# Altium PCB OBC.PcbDoc (part 1 of 3) (continued)
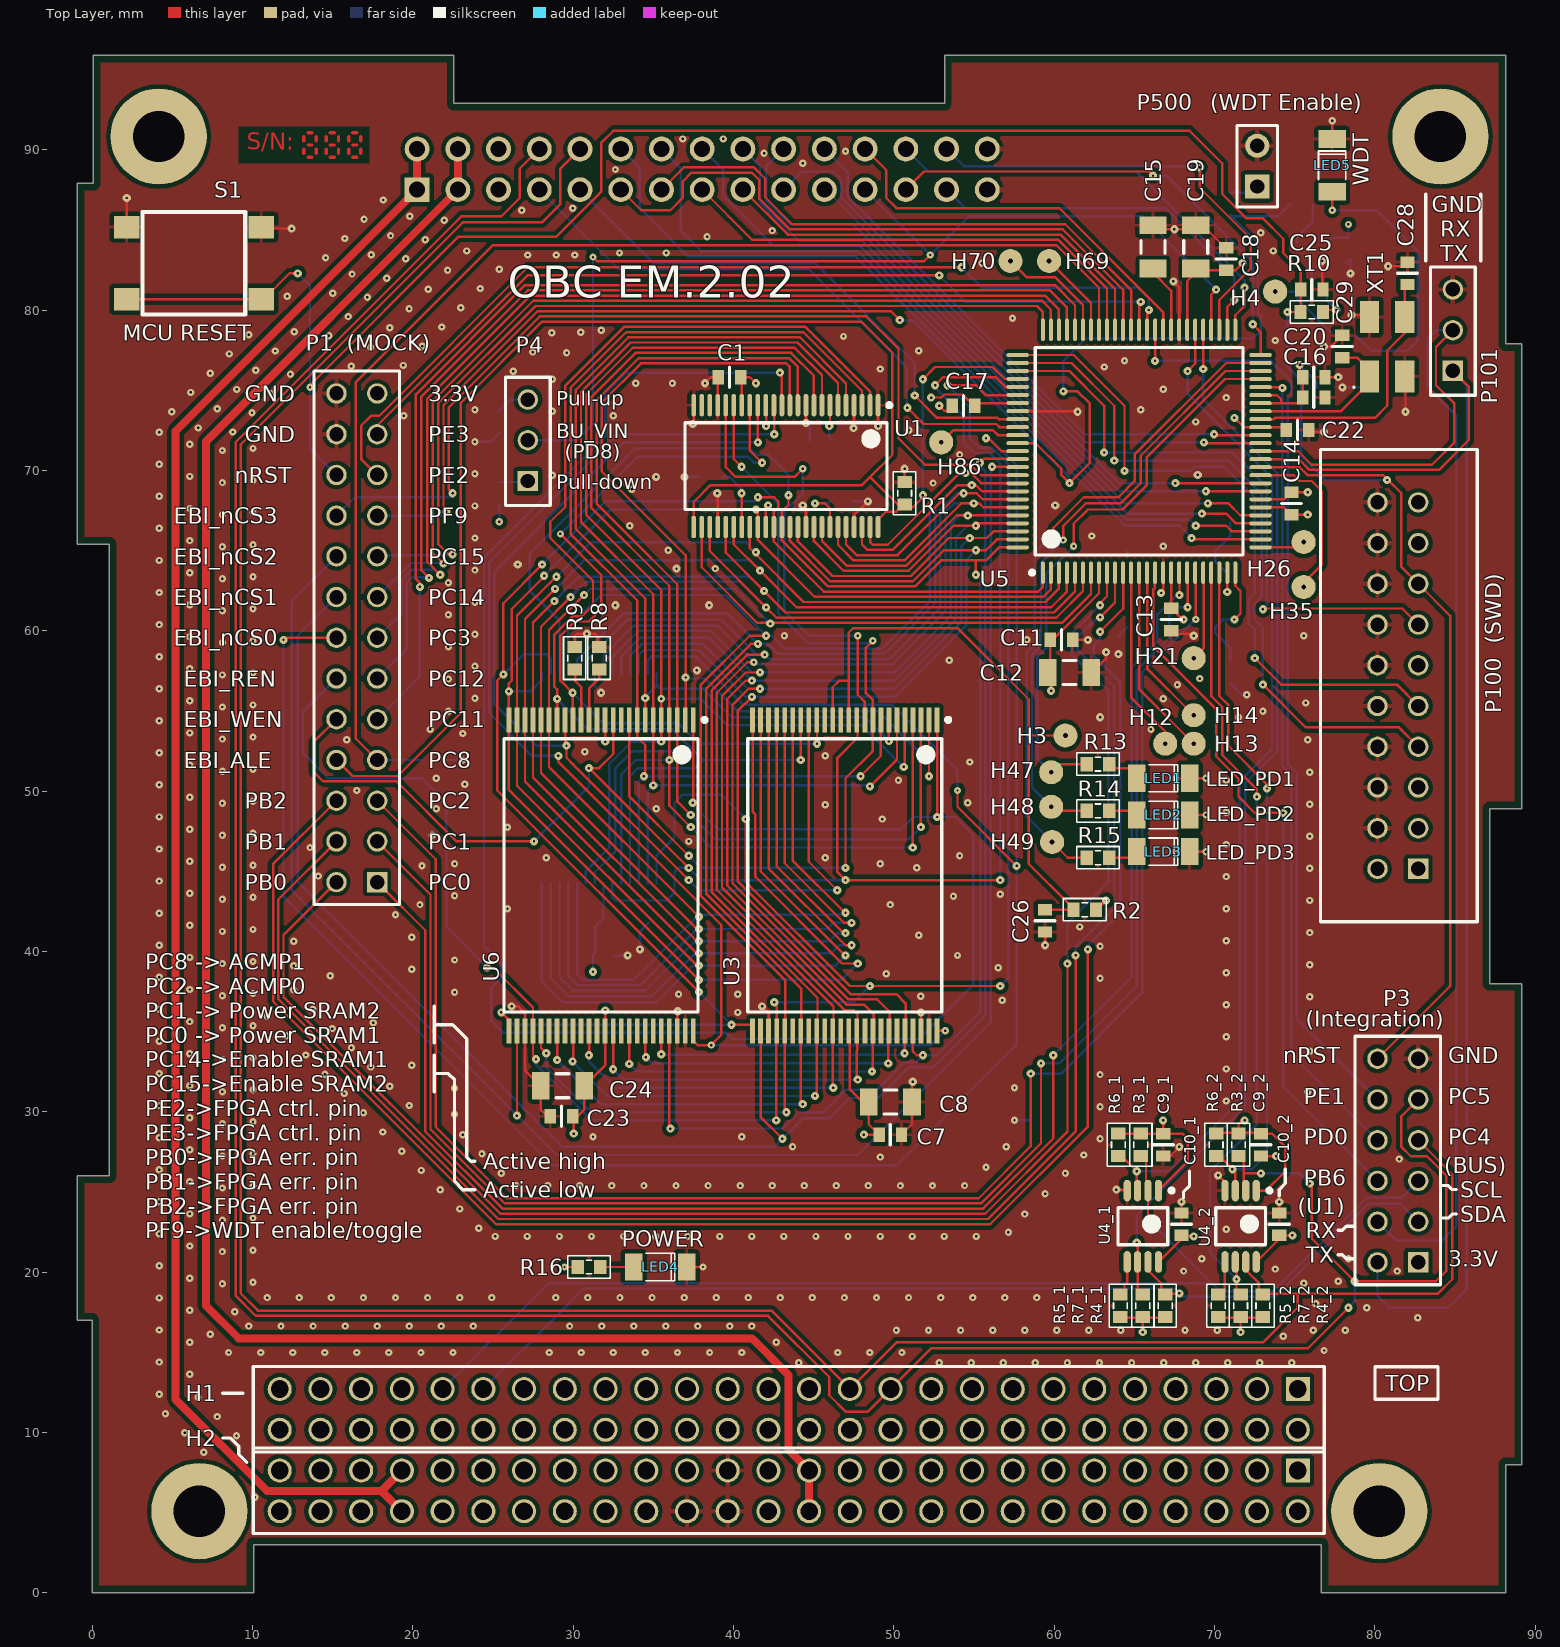
[diagram p0: Top Layer view]
## Design rules (kind name [scope] priority, off if disabled: settings) (continued)
RoomDefinition MCU [InComponentClass('MCU')] p5: confinementstyle=ConfineIn formatcopy=TRUE lockcomponents=FALSE outline 0.381,17.526 83.82,17.526 83.82,94.361 0.381,94.361
RoomDefinition I2C-Repeater2 [InComponentClass('I2C-Repeater2')] p6: confinementstyle=ConfineIn formatcopy=TRUE lockcomponents=FALSE outline 68.961,12.954 77.597,12.954 77.597,31.496 68.961,31.496
RoomDefinition I2C-Repeater1 [InComponentClass('I2C-Repeater1')] p7: confinementstyle=ConfineIn formatcopy=TRUE lockcomponents=FALSE outline 60.833,13.843 69.596,13.843 69.596,32.258 60.833,32.258
RoomDefinition Flash [InComponentClass('Flash')] p8: confinementstyle=ConfineIn formatcopy=TRUE lockcomponents=FALSE outline 38.989,27.686 67.056,27.686 67.056,57.15 38.989,57.15
RoomDefinition EEPROM [InComponentClass('EEPROM')] p9: confinementstyle=ConfineIn formatcopy=TRUE lockcomponents=FALSE outline 20.32,36.83 54.61,36.83 54.61,68.834 20.32,68.834
RoomDefinition D-Latch [InComponentClass('D-Latch')] p10: confinementstyle=ConfineIn formatcopy=TRUE lockcomponents=FALSE outline 28.279,56.845 58.886,56.845 58.886,83.896 28.279,83.896
RoutingVias [All] p1: holewidth=0.152 width=0.457 viastyle="Through Hole" minholewidth=0.125 minwidth=0.4 maxholewidth=0.356 maxwidth=0.762
SilkToSilkClearance [All] p1 off: silktosilkclearance=0.178
SilkToSolderMaskClearance [IsPad] p1 off: minsilkscreentomaskgap=0.254 clearancetoexposedcopper=TRUE
SolderMaskExpansion [All] p1: expansion=0
Width Width_USBdiff [InAnyDifferentialPair] p1 off: maxlimit=0.686 minlimit=0.176 preferedwidth=0.665 impedancedriven=TRUE minimp=44.000000 maximp=86.000000 favimp=45.000000
Width Width_ANT [InNet('ANT')] p2: maxlimit=0.587 minlimit=0.569 preferedwidth=0.569 impedancedriven=TRUE minimp=49.000000 maximp=50.000000 favimp=50.000000
Width Width_OutsideLayer [OnLayer('Top Layer') or OnLayer('Bottom Layer')] p3: maxlimit=3.175 minlimit=0.15 preferedwidth=0.356 minimp=50.000000 maximp=50.000000 favimp=50.000000
20 further rules are at their usual default settings.

## Classes and differential pairs
component class EEPROM: C5 C6 U2
component class Flash: C7 C8 C26 H3 R2 U3
component class I2C-Repeater1: C9_1 C10_1 R3_1 R4_1 R5_1 R6_1 R7_1 U4_1
component class I2C-Repeater2: C9_2 C10_2 R3_2 R4_2 R5_2 R6_2 R7_2 U4_2
component class MCU: C11 C12 C13 C14 C15 C16 C17 C18 C19 C20 C21 C22 C25 C27 C28 C29 C30 C31 H4 H12 H13 H14 H21 H26 H35 H47 H48 H49 H69 H70 H86 LED1 LED2 LED3 LED4 LED5 R10 R11 R12 R13 R14 R15 R16 R17 R18 R19 R20 R21 S1 U5 U7 XT1 XT2
component class OBC_Connectors: P1 P3 P4 P100 P101 P500
component class Piggyback: P600
component class SRAM: C23 C24 R8 R9 U6
channel class OBC_I2C-Repeater: I2C-Repeater1 I2C-Repeater2
component class "PC-104 Stack Connector": H1 H2
component class D-Latch: C1 C2 C3 C4 R1 U1

## Components (designator, comment, footprint, x,y, rotation, side; value= is the part's Value field where it differs from the comment)
C1 "100nF/50V" C0603 39.751,75.819 r180 top value=100nF
C2 "100nF/50V" C0603 45.466,71.882 r180 bottom value=100nF
C3 "100nF/50V" C0603 46.736,68.072 r0 bottom value=100nF
C4 "100nF/50V" C0603 38.608,69.596 r180 bottom value=100nF
C5 "100nF/50V" C0603 31.877,39.751 r0 bottom value=100nF
C6 "10uF/16V" C1206 33.147,41.783 r0 bottom value=10uF
C7 "100nF/50V" C0603 49.784,28.575 r0 top value=100nF
C8 "10uF/16V" C1206 49.784,30.607 r0 top value=10uF
C9_1 "100nF/50V" C0603 66.802,27.94 r270 top value=100nF (schematic designator C9)
C9_2 "100nF/50V" C0603 72.898,27.94 r270 top value=100nF (schematic designator C9)
C10_1 "100nF/50V" C0603 67.945,22.987 r90 top value=100nF (schematic designator C10)
C10_2 "100nF/50V" C0603 74.041,22.987 r90 top value=100nF (schematic designator C10)
C11 "100nF/50V" C0603 60.452,59.436 r0 top value=100nF
C12 "10uF/16V" C1206 60.96,57.404 r0 top value=10uF
C13 "100nF/50V" C0603 67.31,60.706 r270 top value=100nF
C14 "100nF/50V" C0603 74.803,67.945 r90 top value=100nF
C15 "1uF/25V" C1206 66.167,83.947 r90 top value=1uF
C16 "100nF/50V" C0603 76.2,74.549 r0 top value=100nF
C17 "100nF/50V" C0603 54.356,74.041 r180 top value=100nF
C18 "100nF/50V" C0603 70.739,83.185 r90 top value=100nF
C19 "10uF/16V" C1206 68.834,83.947 r90 top value=10uF
C20 "10nF/50V" C0603 76.2,75.819 r0 top value=10nF
C21 "10uF/16V" C1206 77.724,75.184 r0 bottom value=10uF
C22 "10nF/50V" C0603 75.184,72.517 r0 top value=10nF
C23 "100nF/50V" C0603 29.273,29.718 r180 top value=100nF
C24 "10uF/16V" C1206 29.337,31.623 r180 top value=10uF
C25 "10nF/50V" C0603 76.073,81.28 r0 top value=10nF
C26 "10nF/50V" C0603 59.436,41.91 r270 top value=10nF
C27 "100nF/50V" C0603 78.359,83.82 r90 bottom value=100nF
C28 "20pF/50V" C0603 82.042,82.296 r90 top value=20pF
C29 "20pF/50V" C0603 77.978,77.724 r90 top value=20pF
C30 "20pF/50V" C0603 70.993,67.437 r270 bottom value=20pF
C31 "20pF/50V" C0603 70.993,57.404 r270 bottom value=20pF
H1 "Samtec Header ESQ-126-39-G-D" SAMTEC_ESQ-126-39-G-D 43.45,11.44 r180 top
H2 "Samtec Header ESQ-126-39-G-D" SAMTEC_ESQ-126-39-G-D 43.45,6.36 r180 top
H3 "F_nRST" TESTPOINT 60.706,53.467 r0 top
H4 "WDT_RST" TESTPOINT 73.787,81.153 r0 top
H12 "PB3" TESTPOINT 66.929,52.959 r90 top
H13 "PB4" TESTPOINT 68.707,52.959 r90 top
H14 "PB5" TESTPOINT 68.707,54.737 r90 top
H21 "PC3" TESTPOINT 68.707,58.293 r0 top
H26 "PA7" TESTPOINT 75.565,65.532 r90 top
H35 "PA14" TESTPOINT 75.565,62.738 r90 top
H47 "PD1" TESTPOINT 59.817,51.181 r90 top
H48 "PD2" TESTPOINT 59.817,49.022 r90 top
H49 "PD3" TESTPOINT 59.877,46.824 r90 top
H69 "PC9" TESTPOINT 59.69,83.058 r90 top
H70 "PC10" TESTPOINT 57.277,83.058 r90 top
H86 "PF8" TESTPOINT 52.959,71.755 r90 top
LED1 "LED_PD1" SMD_LED_1206 66.802,50.8 r0 top
LED2 "LED_PD2" SMD_LED_1206 66.802,48.514 r0 top
LED3 "LED_PD3" SMD_LED_1206 66.802,46.228 r0 top
LED4 "POWER" SMD_LED_1206 35.433,20.32 r0 top
LED5 "WDT" SMD_LED_1206 77.343,89.027 r90 top
P1 "Mock" Samtec_TSW-113-07-L-D 16.51,59.563 r90 top
P3 "Integration-Tests" Samtec_TSW-106-07-L-D 81.44,26.96 r90 top
P4 "BU_VIN" Samtec_TSW-103-07-L-S 27.178,71.882 r90 top
P100 "MCU_JTAG" Samtec_TSS-110-01-G-D 81.44,56.58 r90 top
P101 "UART" Samtec_TSW-103-07-L-S 84.87,78.75 r90 top
P500 "WDT Enable" "HEADER 1X2 Male" 72.67,87.71 r90 top
P600 "PiggyBack" Samtec_CES-115-01-L-D 20.27,87.51 r180 bottom
R1 "100k" R0603 50.673,68.58 r90 top
R2 "2.2k" R0603 61.912,42.603 r180 top
R3_1 "3.3k" R0603 65.405,27.94 r90 top (schematic designator R3)
R3_2 "3.3k" R0603 71.501,27.94 r90 top (schematic designator R3)
R4_1 "3.3k" R0603 66.929,17.907 r270 top (schematic designator R4)
R4_2 "3.3k" R0603 73.025,17.907 r270 top (schematic designator R4)
R5_1 "10k" R0603 64.135,17.907 r90 top (schematic designator R5)
R5_2 "10k" R0603 70.231,17.907 r90 top (schematic designator R5)
R6_1 "3.3k" R0603 64.008,27.94 r90 top (schematic designator R6)
R6_2 "3.3k" R0603 70.104,27.94 r90 top (schematic designator R6)
R7_1 "3.3k" R0603 65.532,17.907 r270 top (schematic designator R7)
R7_2 "3.3k" R0603 71.628,17.907 r270 top (schematic designator R7)
R8 "0R" R0603 31.623,58.293 r270 top
R9 "0R" R0603 30.099,58.293 r270 top
R10 "2.2k" R0603 76.073,79.883 r180 top
R11 "2.2k" R0603 70.993,86.614 r90 bottom
R12 "10k" R0603 75.438,86.614 r0 bottom
R13 "2.2k" R0603 62.738,51.689 r0 top
R14 "2.2k" R0603 62.738,48.768 r0 top
R15 "2.2k" R0603 62.738,45.847 r0 top
R16 "2.2k" R0603 30.988,20.32 r0 top
R17 "10k" R0603 58.547,30.099 r90 bottom
R18 "10k" R0603 21.336,51.943 r180 bottom
R19 "2.2k" R0603 77.978,78.613 r0 bottom
R20 "2.2k" R0603 25.4,68.58 r270 bottom
R21 "2.2k" R0603 25.4,73.025 r90 bottom
S1 "MC32882" MC32882 6.35,82.931 r180 top
U1 "SN74ALVCH162373GR" DGG0048A_N 43.271,70.273 r270 top
U2 "AT28BV256-20TU" TSOP-28T 31.623,50.8 r90 bottom
U3 "S29JL032J70TFI320" TSSOP50P2000X125-48N 46.946,44.747 r270 top
U4_1 "PCA9512" TSSOP8 65.532,22.86 r270 top (schematic designator U4)
U4_2 "PCA9512" TSSOP8 71.628,22.86 r270 top (schematic designator U4)
U5 "EFM32GG280F1024-QFP100" ENMR-LQFP100_L 65.3,71.202 r90 top
U6 "R1LV1616RSA-5SI" TSSOP50P2000X125-48N 31.748,44.747 r270 top
U7 "TPS3824-33DBVT" SOT23-5 76.073,82.931 r90 bottom
XT1 "48 MHz" "SMD, 5mm x 3.2mm" 80.772,77.724 r90 top
XT2 "32.768kHz" Epson_MC-306 67.31,62.484 r180 bottom

## Footprints (in the part's own frame and the unit in brackets; to place one, negate y for a bottom-side part, rotate by r counter-clockwise, add the part's x,y. Pads: shape width x height; smd on the part's side, far side on the other; paste and mask are expansions set on the pad)
C0603 [mil]
  rect 28x35 smd: 1(-27.5,0) 2(27.5,0)
  silkscreen extent 0,-25 0,25, body extent -31,-16 31,16, height 18
C1206 [mm] "Chip Capacitor, Body 3.2x1.6mm, IPC High Density"
  rect 1.1x1.7 smd: 1(-1.35,0) 2(1.35,0)
  silkscreen extent -0.4,-0.75 0.4,0.75, body extent -1.7,-0.9 1.7,0.9, height 1.3
DGG0048A_N [mm] "TSSOP, 48-Leads, Body 12.6x6.2mm, Pitch 0.5mm, IPC Medium Density"
  oval 1.4x0.3 smd: 1(-3.8,5.75) 2(-3.8,5.25) 3(-3.8,4.75) 4(-3.8,4.25) 5(-3.8,3.75) 6(-3.8,3.25) 7(-3.8,2.75) 8(-3.8,2.25) 9(-3.8,1.75) 10(-3.8,1.25) 11(-3.8,0.75) 12(-3.8,0.25) 13(-3.8,-0.25) 14(-3.8,-0.75) 15(-3.8,-1.25) 16(-3.8,-1.75) 17(-3.8,-2.25) 18(-3.8,-2.75) 19(-3.8,-3.25) 20(-3.8,-3.75) 21(-3.8,-4.25) 22(-3.8,-4.75) 23(-3.8,-5.25) 24(-3.8,-5.75) 25(3.8,-5.75) 26(3.8,-5.25) 27(3.8,-4.75) 28(3.8,-4.25) 29(3.8,-3.75) 30(3.8,-3.25) 31(3.8,-2.75) 32(3.8,-2.25) 33(3.8,-1.75) 34(3.8,-1.25) 35(3.8,-0.75) 36(3.8,-0.25) 37(3.8,0.25) 38(3.8,0.75) 39(3.8,1.25) 40(3.8,1.75) 41(3.8,2.25) 42(3.8,2.75) 43(3.8,3.25) 44(3.8,3.75) 45(3.8,4.25) 46(3.8,4.75) 47(3.8,5.25) 48(3.8,5.75)
  silkscreen extent -3.92,-6.3 2.7,6.58, body extent -4.06,-6.25 4.06,6.25, height 1.2
ENMR-LQFP100_L [mm] "LQFP, 100-Leads, Body 14x14mm, Pitch 0.5mm, IPC High Density"
  oval 1.4x0.25 smd: 1(-7.575,6) 2(-7.575,5.5) 3(-7.575,5) 4(-7.575,4.5) 5(-7.575,4) 6(-7.575,3.5) 7(-7.575,3) 8(-7.575,2.5) 9(-7.575,2) 10(-7.575,1.5) 11(-7.575,1) 12(-7.575,0.5) 13(-7.575,0) 14(-7.575,-0.5) 15(-7.575,-1) 16(-7.575,-1.5) 17(-7.575,-2) 18(-7.575,-2.5) 19(-7.575,-3) 20(-7.575,-3.5) 21(-7.575,-4) 22(-7.575,-4.5) 23(-7.575,-5) 24(-7.575,-5.5) 25(-7.575,-6) 51(7.575,-6) 52(7.575,-5.5) 53(7.575,-5) 54(7.575,-4.5) 55(7.575,-4) 56(7.575,-3.5) 57(7.575,-3) 58(7.575,-2.5) 59(7.575,-2) 60(7.575,-1.5) 61(7.575,-1) 62(7.575,-0.5) 63(7.575,0) 64(7.575,0.5) 65(7.575,1) 66(7.575,1.5) 67(7.575,2) 68(7.575,2.5) 69(7.575,3) 70(7.575,3.5) 71(7.575,4) 72(7.575,4.5) 73(7.575,5) 74(7.575,5.5) 75(7.575,6)
  oval 0.25x1.4 smd: 26(-6,-7.575) 27(-5.5,-7.575) 28(-5,-7.575) 29(-4.5,-7.575) 30(-4,-7.575) 31(-3.5,-7.575) 32(-3,-7.575) 33(-2.5,-7.575) 34(-2,-7.575) 35(-1.5,-7.575) 36(-1,-7.575) 37(-0.5,-7.575) 38(0,-7.575) 39(0.5,-7.575) 40(1,-7.575) 41(1.5,-7.575) 42(2,-7.575) 43(2.5,-7.575) 44(3,-7.575) 45(3.5,-7.575) 46(4,-7.575) 47(4.5,-7.575) 48(5,-7.575) 49(5.5,-7.575) 50(6,-7.575) 76(6,7.575) 77(5.5,7.575) 78(5,7.575) 79(4.5,7.575) 80(4,7.575) 81(3.5,7.575) 82(3,7.575) 83(2.5,7.575) 84(2,7.575) 85(1.5,7.575) 86(1,7.575) 87(0.5,7.575) 88(0,7.575) 89(-0.5,7.575) 90(-1,7.575) 91(-1.5,7.575) 92(-2,7.575) 93(-2.5,7.575) 94(-3,7.575) 95(-3.5,7.575) 96(-4,7.575) 97(-4.5,7.575) 98(-5,7.575) 99(-5.5,7.575) 100(-6,7.575)
  silkscreen extent -7.7,-6.48 6.48,6.8, body extent -8,-8 8,8, height 1.6
Epson_MC-306 [mm] "kHz RANGE CRYSTAL UNIT"
  rect 1.3x1.9 smd: 1(-2.75,-2.25) 2(2.75,-2.25) 3(2.75,2.15) 4(-2.75,2.15)
  silkscreen extent -4.1,-1.7 4.1,1.6, body extent -4,-1.85 4,1.75, height 2.54
"HEADER 1X2 Male" [mm] "Connector; Header; 2 Position; Straight; Male"
  rect 1.5x1.5 hole 0.9: 1(0,0)
  round 1.5 hole 0.9: 2(2.54,0)
  silkscreen extent -1.27,-1.27 3.81,1.27, body extent -1.17,-1.25 3.91,1.25, height 8.2
MC32882 [mm] "MC32882 switch"
  rect 1.6x1.4 smd: 1(-4.2,2.25) 2(-4.2,-2.25) 3(4.2,-2.25) 4(4.2,2.25)
  silkscreen extent -3.2,-3.2 3.2,3.2, body extent -4,-3.25 4,3.25, height 4.3
R0603 [mil]
  rect 30x35.43 smd: 1(27.5,0) 2(-27.5,0)
  Top Layer pour cut-out: -11.81,15.75 -11.81,-15.75 11.81,-15.75 11.81,15.75
  silkscreen extent -52,-28 52,28, body extent -31,-16 31,16, height 18
Samtec_CES-115-01-L-D [mm] "Samtec CES Series Header. CES-115-01-L-D."
  rect 1.55x1.55 hole 1: 1(0,0)
  round 1.55 hole 1: 2(0,2.54) 3(-2.54,0) 4(-2.54,2.54) 5(-5.08,0) 6(-5.08,2.54) 7(-7.62,0) 8(-7.62,2.54) 9(-10.16,0) 10(-10.16,2.54) 11(-12.7,0) 12(-12.7,2.54) 13(-15.24,0) 14(-15.24,2.54) 15(-17.78,0) 16(-17.78,2.54) 17(-20.32,0) 18(-20.32,2.54) 19(-22.86,0) 20(-22.86,2.54) 21(-25.4,0) 22(-25.4,2.54) 23(-27.94,0) 24(-27.94,2.54) 25(-30.48,0) 26(-30.48,2.54) 27(-33.02,0) 28(-33.02,2.54) 29(-35.56,0) 30(-35.56,2.54)
  silkscreen extent -36.83,-1.27 1.27,3.81, body extent -36.83,-1.52 1.27,4.06, height 5.08
SAMTEC_ESQ-126-39-G-D [mm] "Samtec ESQ-126-39-G-D elevated connector"
  rect 1.5x1.5 hole 1.1: 1(-31.75,-1.27)
  round 1.5 hole 1.1: 2(-31.75,1.27) 3(-29.21,-1.27) 4(-29.21,1.27) 5(-26.67,-1.27) 6(-26.67,1.27) 7(-24.13,-1.27) 8(-24.13,1.27) 9(-21.59,-1.27) 10(-21.59,1.27) 11(-19.05,-1.27) 12(-19.05,1.27) 13(-16.51,-1.27) 14(-16.51,1.27) 15(-13.97,-1.27) 16(-13.97,1.27) 17(-11.43,-1.27) 18(-11.43,1.27) 19(-8.89,-1.27) 20(-8.89,1.27) 21(-6.35,-1.27) 22(-6.35,1.27) 23(-3.81,-1.27) 24(-3.81,1.27) 25(-1.27,-1.27) 26(-1.27,1.27) 27(1.27,-1.27) 28(1.27,1.27) 29(3.81,-1.27) 30(3.81,1.27) 31(6.35,-1.27) 32(6.35,1.27) 33(8.89,-1.27) 34(8.89,1.27) 35(11.43,-1.27) 36(11.43,1.27) 37(13.97,-1.27) 38(13.97,1.27) 39(16.51,-1.27) 40(16.51,1.27) 41(19.05,-1.27) 42(19.05,1.27) 43(21.59,-1.27) 44(21.59,1.27) 45(24.13,-1.27) 46(24.13,1.27) 47(26.67,-1.27) 48(26.67,1.27) 49(29.21,-1.27) 50(29.21,1.27) 51(31.75,-1.27) 52(31.75,1.27)
  silkscreen extent -33.4,-2.67 33.4,2.67, body extent -33.27,-2.54 33.27,2.54, height 11.01
Samtec_TSS-110-01-G-D [mm] "Samtec TSS-110-01-G-D"
  rect 1.27x1.27 hole 0.9: 1(-11.43,-1.27)
  round 1.27 hole 0.9: 2(-11.43,1.27) 3(-8.89,-1.27) 4(-8.89,1.27) 5(-6.35,-1.27) 6(-6.35,1.27) 7(-3.81,-1.27) 8(-3.81,1.27) 9(-1.27,-1.27) 10(-1.27,1.27) 11(1.27,-1.27) 12(1.27,1.27) 13(3.81,-1.27) 14(3.81,1.27) 15(6.35,-1.27) 16(6.35,1.27) 17(8.89,-1.27) 18(8.89,1.27) 19(11.43,-1.27) 20(11.43,1.27)
  silkscreen extent -14.73,-4.95 14.73,4.83, body extent -14.6,-4.83 14.6,4.65, height 8.89
Samtec_TSW-103-07-L-S [mm] "Samtec TSW-103-07-L-S"
  rect 1.27x1.27 hole 0.9: 1(-2.54,0)
  round 1.27 hole 0.9: 2(0,0) 3(2.54,0)
  silkscreen extent -4.06,-1.4 3.94,1.4, body extent -3.94,-1.27 3.81,1.27, height 8.38
Samtec_TSW-106-07-L-D [mm] "Samtec TSW-106-07-L-D"
  rect 1.27x1.27 hole 0.9: 1(-6.35,-1.27)
  round 1.27 hole 0.9: 2(-6.35,1.27) 3(-3.81,-1.27) 4(-3.81,1.27) 5(-1.27,-1.27) 6(-1.27,1.27) 7(1.27,-1.27) 8(1.27,1.27) 9(3.81,-1.27) 10(3.81,1.27) 11(6.35,-1.27) 12(6.35,1.27)
  silkscreen extent -7.75,-2.67 7.75,2.67, body extent -7.62,-2.54 7.62,2.54, height 8.38
Samtec_TSW-113-07-L-D [mm] "Samtec TSW-113-07-L-D"
  rect 1.27x1.27 hole 0.9: 1(-15.24,-1.27)
  round 1.27 hole 0.9: 2(-15.24,1.27) 3(-12.7,-1.27) 4(-12.7,1.27) 5(-10.16,-1.27) 6(-10.16,1.27) 7(-7.62,-1.27) 8(-7.62,1.27) 9(-5.08,-1.27) 10(-5.08,1.27) 11(-2.54,-1.27) 12(-2.54,1.27) 13(0,-1.27) 14(0,1.27) 15(2.54,-1.27) 16(2.54,1.27) 17(5.08,-1.27) 18(5.08,1.27) 19(7.62,-1.27) 20(7.62,1.27) 21(10.16,-1.27) 22(10.16,1.27) 23(12.7,-1.27) 24(12.7,1.27) 25(15.24,-1.27) 26(15.24,1.27)
  silkscreen extent -16.64,-2.67 16.64,2.67, body extent -16.51,-2.54 16.51,2.54, height 8.38
"SMD, 5mm x 3.2mm" [mm]
  rect 2x1.2 smd: 1(-1.85,1.1) 2(1.85,-1.1) 3(-1.85,-1.1) 4(1.85,1.1)
  silkscreen extent -2.58,2.02 -2.49,2.12, body extent -2.5,-1.6 2.5,1.6, height 1
SMD_LED_1206 [mm] "SMD LED diode, Inch 1206, Metric 3216."
  rect 1.1x1.7 smd: A(-1.65,0) K(1.65,0)
  silkscreen extent -0.9,-0.85 0.9,0.85, body extent -1.6,-0.8 1.6,0.8, height 1.11
SOT23-5 [mm] "JEDEC MO-178AA package."
  rect 1.22x0.62 smd: 1(-1.31,0.95) 2(-1.31,0) 3(-1.31,-0.95) 4(1.31,-0.95) 5(1.31,0.95)
  silkscreen extent -0.85,-1.45 0.85,1.45, body extent -1.4,-1.45 1.4,1.45, height 1.45
TESTPOINT [mm] "Test Point"
  round 1.5 hole 0.3: 1(0,0)
TSOP-28T [mm] "TSSOP, 28-Leads, Body 8.00x11.80mm, Pitch 0.55mm, IPC Medium Density"
  oval 1.2x0.3 smd: 1(-6.55,3.575) 2(-6.55,3.025) 3(-6.55,2.475) 4(-6.55,1.925) 5(-6.55,1.375) 6(-6.55,0.825) 7(-6.55,0.275) 8(-6.55,-0.275) 9(-6.55,-0.825) 10(-6.55,-1.375) 11(-6.55,-1.925) 12(-6.55,-2.475) 13(-6.55,-3.025) 14(-6.55,-3.575) 15(6.55,-3.575) 16(6.55,-3.025) 17(6.55,-2.475) 18(6.55,-1.925) 19(6.55,-1.375) 20(6.55,-0.825) 21(6.55,-0.275) 22(6.55,0.275) 23(6.55,0.825) 24(6.55,1.375) 25(6.55,1.925) 26(6.55,2.475) 27(6.55,3.025) 28(6.55,3.575)
  silkscreen extent -6.67,-4.05 5.55,4.4, body extent -6.7,-4.05 6.7,4.05, height 1.2
TSSOP8 [mm] "TSOP, 8-Leads, Body 3,00x3,00mm, Pitch 0,65mm, IPC Medium Density"
  oval 1.35x0.45 smd: 1(-2.225,0.975) 2(-2.225,0.325) 3(-2.225,-0.325) 4(-2.225,-0.975) 5(2.225,-0.975) 6(2.225,-0.325) 7(2.225,0.325) 8(2.225,0.975)
  silkscreen extent -2.35,-1.55 1.15,1.92, body extent -2.05,-1.55 2.05,1.55, height 1.1
TSSOP50P2000X125-48N [mm] "TSSOP, 48-Leads, Body 12.00x18.40mm, Pitch 0.50mm, IPC Medium Density"
  rect 1.55x0.3 smd: 1(-9.7,5.75) 2(-9.7,5.25) 3(-9.7,4.75) 4(-9.7,4.25) 5(-9.7,3.75) 6(-9.7,3.25) 7(-9.7,2.75) 8(-9.7,2.25) 9(-9.7,1.75) 10(-9.7,1.25) 11(-9.7,0.75) 12(-9.7,0.25) 13(-9.7,-0.25) 14(-9.7,-0.75) 15(-9.7,-1.25) 16(-9.7,-1.75) 17(-9.7,-2.25) 18(-9.7,-2.75) 19(-9.7,-3.25) 20(-9.7,-3.75) 21(-9.7,-4.25) 22(-9.7,-4.75) 23(-9.7,-5.25) 24(-9.7,-5.75) 25(9.7,-5.75) 26(9.7,-5.25) 27(9.7,-4.75) 28(9.7,-4.25) 29(9.7,-3.75) 30(9.7,-3.25) 31(9.7,-2.75) 32(9.7,-2.25) 33(9.7,-1.75) 34(9.7,-1.25) 35(9.7,-0.75) 36(9.7,-0.25) 37(9.7,0.25) 38(9.7,0.75) 39(9.7,1.25) 40(9.7,1.75) 41(9.7,2.25) 42(9.7,2.75) 43(9.7,3.25) 44(9.7,3.75) 45(9.7,4.25) 46(9.7,4.75) 47(9.7,5.25) 48(9.7,5.75)
  silkscreen extent -9.82,-6.05 8.52,6.58, body extent -10.1,-6.05 10.1,6.05, height 1.2

## Part data
C1 C2 C3 C4 C5 C7 C9_1 C9_2 C10_1 C10_2 C11 C13 C14 C16 C17 C18 C23 C27: library part CAP, "Capacitator", Supplier Part Number 1=1759122, Voltage=50V, Farnell=1759122, Material=X7R, Supplier 1=Farnell
C6 C8 C12 C19 C21 C24: library part CAP, "Capacitator", Supplier Part Number 1=2320922, Voltage=16V, Farnell=2320922, Material=X5R, Supplier 1=Farnell
C15: library part CAP, "Capacitator", Supplier Part Number 1=2112718, Voltage=25V, Farnell=2112718, Material=X8R, Supplier 1=Farnell
C20 C22 C25 C26: library part CAP, "Capacitator", Supplier Part Number 1=9406182, Voltage=50V, Farnell=9406182, Material=X7R, Supplier 1=Farnell
C28 C29 C30 C31: library part CAP, "Capacitator", Supplier Part Number 1=2627117, Voltage=50V, Farnell=2627117, Material=NP0, Supplier 1=Farnell
H1 H2: library part Samtec_ESQ-126-xx-x-D, "Samtec ESQ Series Header , 2.54mm pitch, 2x26pin. PC-104 Stack Connector.", Manufacturer=Samtec, partNo=ESQ-126-39-G-D, Comment_1="Samtec Header ESQ-126-39-G-D", Digi-Key=SAM8772-ND, Supplier 1=Digi-Key
H3 H4 H12 H13 H14 H21 H26 H35 H47 H48 H49 H69 H70 H86: library part Wire_AWG-30, "An AWG-30 wire solder point."
LED1 LED2 LED3 LED4 LED5: library part LED-1206_RED, "LED diode, SMD1206 package.", Farnell=1581229, Supplier 1=Farnell
P1: library part "Header 13X2", "Header, 13-Pin, Dual row", Manufacturer=Amphenol, partNo=67997-426HLF, Farnell=1925216, Supplier 1=Farnell
P3: library part "Header 6X2", "Header, 6-Pin, Dual row, Right Angle", Manufacturer=Multicomp, partNo=MC34771, Farnell=1593452, Supplier 1=Farnell
P4 P101: library part "Header 3", "Header, 3-Pin", Manufacturer=Multicomp, partNo=2211S-03G, Farnell=1593412, Supplier 1=Farnell
P100: library part "Header 10X2", "Header, 10-Pin, Dual row", Manufacturer=3M, partNo=MC9A12-2034, Farnell=1099258, Supplier 1=Farnell
P500: library part "Header 2", "Header, 2-Pin", Manufacturer=Multicomp, partNo=2211S-02G, Farnell=1593411, Supplier 1=Farnell
P600: library part Samtec_CES-115-xx-x-D, "Low Profile Socket Strips", Manufacturer=Samtec, partNo=CES-115-01-G-D, Farnell=1806463, HelpUrl=http://suddendocs.samtec.com/catalog_english/slw.pdf, Supplier 1=Farnell
R1: library part RES, "Resistor", Supplier Part Number 1=9330402, Tolerance=1%, Farnell=9330402, Supplier 1=Farnell
R2 R10 R11 R13 R14 R15 R16 R19 R20 R21: library part RES, "Resistor", Supplier Part Number 1=9330810, Tolerance=1%, Farnell=9330810, Supplier 1=Farnell
R3_1 R3_2 R4_1 R4_2 R6_1 R6_2 R7_1 R7_2: library part RES, "Resistor", Supplier Part Number 1=2446676, Tolerance=1%, Farnell=2446676, Supplier 1=Farnell
R5_1 R5_2 R12 R17 R18: library part RES, "Resistor", Supplier Part Number 1=2446547, Tolerance=1%, Farnell=2446547, Supplier 1=Farnell
R8 R9: library part RES, "Resistor", Supplier Part Number 1=2447060, Farnell=2447060, Supplier 1=Farnell
S1: library part "SW PUSHBUTTON_0", "Button", Manufacturer=Multicomp, Supplier Part Number 1=2396053, Comp Type=SMD, Design=M, EMS Mounting=M, Farnell=2396053, partNo=MC32882, Pricing=0,472, Sourcing=Fixed, Supplier 1=Farnell
U1: "16-Bit Transparent D-Type Latch with 3-State Outputs, DGG0048A, LARGE T&R", Manufacturer="Texas Instruments", DigiKey=296-18538-1-ND, partNo=SN74ALVCH162373GR, Supplier 1=Digi-Key
U2: "256K (32K x 8)  Battery-Voltage  Parallel  EEPROMs", Manufacturer="Microchip Technology", DigiKey=AT28BV256-20TU-ND, partNo=AT28BV256-20TU, Supplier 1=Digi-Key
U3: library part S29JL032J, "IC FLASH 32MBIT 70NS 48TSOP", Manufacturer="Cypress Semiconductor", DigiKey=S29JL032J70TFI320-ND, partNo=S29JL032J70TFI320, Supplier 1=Digi-Key
U4_1 U4_2: "Level shifting hot swappable  I  2C and SMBus buffer", Manufacturer="Texas Instruments", partNo=PCA9512DP, DigiKey=568-1907-1-ND, Supplier 1=Digi-Key
U5: "EFM32 Giant Gecko, M3 ARM Cortex CPU, 1024 KB Flash, 128 KB RAM, 1.85 - 3.8 V Supply, 48 MHz Max Speed, -40 to 85 degC, 100-Pin LQFP, RoHS Compliant", Manufacturer="Silicon Labs", DigiKey=914-1061-1-ND, HelpUrl=http://www.silabs.com/documents/public/data-sheets/EFM32GG280.pdf, partNo=EFM32GG280F1024-QFP100, Supplier 1=Digi-Key
U6: "IC SRAM 16MBIT 55NS 48TSOP", Manufacturer="Renesas Electronics", DigiKey=R1LV1616RSA-5SI#B0-ND, partNo=R1LV1616RSA-5SI, Supplier 1=Digi-Key
U7: "Voltage Monitor With Watchdog Timer", Manufacturer="Texas Instruments", DigiKey=296-26951-1-ND, HelpUrl=http://www.ti.com/lit/ds/symlink/tps3828.pdf, partNo=TPS3824-33DBVT, Supplier 1=Digi-Key
XT1: library part ABM3B-8.000MHZ-B2-T, "Resonator Ceramic", Manufacturer Part Number=ABM3B-48.000MHZ-B2-T, Farnell=2467815, Supplier 1=Farnell
XT2: library part Q13MC30610003, "EPSON MC-306 32.768KHZ 12.5pF Crystal", Manufacturer=Epson, ManufacturerPartNumber=Q13MC30610003

## Free pads (board coordinates)
  round 6 hole 3.2 unplated: 1(4.15,90.83) 1(6.69,5.09) 1(80.28,5.09) 1(84.09,90.83)

## Via types
v1: diameter 0.457, hole 0.152, Top Layer to Bottom Layer, tented both sides, 518 vias
v2: diameter 0.508, hole 0.152, Top Layer to Bottom Layer, tented both sides, 273 vias

## Nets (pads, with @x,y where several pads share a name; then routed paths per layer and width w, separated by ;. In a path a pad name is that pad's centre, name@x,y a point inside that pad or via, vN(x,y) a via of type N, cw(c..) or ccw(c..) an arc to the next point about the centre after c; other vN are vias at no path point)
3V3D: C1.1 C2.1 C3.1 C4.1 C5.1 C6.1 C7.1 C8.1 C9_1.1 C9_2.1 C10_1.1 C10_2.1 C11.1 C12.1 C13.1 C14.1 C16.1 C17.1 C18.1 C19.1 C20.1 C21.1 C22.1 C23.1 C24.1 C27.2 H1.48 H1.50 H1.52 P1.25 P3.1 P100.1 P600.5 P600.6 R2.2 R3_1.1 R3_2.1 R4_1.1 R4_2.1 R5_1.2 R5_2.2 R6_1.1 R6_2.1 R7_1.1 R7_2.1 R16.2 R20.1 U1.7 U1.18 U1.31 U1.42 U2.7 U3.37 U4_1.1 U4_1.8 U4_2.1 U4_2.8 U5.8 U5.17 U5.31 U5.41 U5.44 U5.45 U5.57 U5.82 U6.12 U6.37 U7.5 | length 112.8
  Top Layer w0.15: v1(29.464,20.32) R16.2@30.29,20.32 ; v2(30.037,28.637) 30.037,29.464 30.131,29.558 30.687,30.114 30.687,31.576 30.71,31.599 31.998,32.887 U6.37@31.998,35.047 31.998,36.316 v2(32.004,36.322) ; U6.12@31.998,54.447 32.004,54.441 v2(32.004,53.086) ; v2(40.513,68.58) 40.513,66.48 U1.31@40.521,66.473 ; U1.18@40.521,74.073 40.521,75.749 C1.1@40.45,75.819 41.021,75.819 v2(41.402,75.438) ; v2(45.085,67.945) 45.72,67.945 46.021,67.644 U1.42@46.021,66.473 ; v2(45.974,72.771) 45.974,72.737 46.021,72.691 46.021,72.771 U1.7@46.021,74.073 ; U3.37@47.196,35.047 47.244,34.999 47.244,31.416 48.244,30.417 48.434,30.226 48.434,29.225 49.084,28.575 v2(48.133,28.575) ; v2(52.324,74.549) 52.959,74.549 53.151,74.741 54.291,74.741 55.023,74.009 55.277,73.755 C17.1@55.309,73.786 ; C17.1@55.31,73.787 55.31,74.041 55.31,74.202 U5.82@57.7,74.202 ; v2(59.817,56.261) 59.817,57.404 59.817,57.738 59.864,57.785 59.752,57.897 59.752,59.436 C11.1@59.753,59.436 59.896,59.436 62.8,62.34 U5.8@62.8,63.602 ; R2.2@62.599,42.672 62.61,42.672 62.738,42.672 v2(63.246,43.18) ; R6_1.1@64.135,28.64 65.405,28.64 C9_1.1@66.802,28.64 ; R5_1.2@64.389,17.157 R7_1.1@65.532,17.157 ; v2(65.532,16.256) R7_1.1@65.532,17.157 ; U4_1.8@66.507,20.635 67.945,22.073 67.945,22.287 68.645,22.287 v2(68.707,22.225) ; U4_1.1@66.507,25.085 68.326,26.904 68.326,28.321 68.007,28.64 C9_1.1@66.802,28.64 ; R4_1.1@66.675,17.157 R7_1.1@65.532,17.157 ; v2(66.802,29.464) C9_1.1@66.802,28.64 ; U5.17@67.3,63.602 67.3,61.416 C13.1@67.31,61.404 68.01,60.706 v2(68.072,60.706) ; U5.57@68.3,78.802 68.3,81.809 68.961,82.47 68.976,82.485 70.739,82.485 71.309,82.485 v2(71.755,82.931) ; R6_2.1@70.104,28.69 R3_2.1@71.501,28.69 ; R5_2.2@70.485,17.157 R7_2.1@71.628,17.157 ; v2(71.247,73.279) 71.824,72.702 U5.41@72.875,72.702 74.173,72.702 74.422,72.453 C22.1@74.486,72.39 ; R3_2.1@71.501,28.639 R3_2.1@71.501,28.69 ; v2(71.628,16.256) R7_2.1@71.628,17.157 ; v2(71.882,29.464) 71.755,29.464 71.501,29.21 R3_2.1@71.501,28.69 ; U4_2.8@72.603,20.635 74.041,22.073 74.041,22.287 v2(74.865,22.287) ; U4_2.1@72.603,25.085 73.218,25.085 74.422,26.289 74.422,27.813 73.595,28.64 72.898,28.64 72.848,28.69 R3_2.1@71.501,28.69 ; R4_2.1@72.771,17.157 R7_2.1@71.628,17.157 ; U5.45@72.875,74.702 73.888,74.702 74.168,74.422 74.168,74.202 ; U5.31@72.9,67.702 74.347,67.702 C14.1@74.803,67.246 v2(75.819,67.246) ; U5.44@72.9,74.202 74.168,74.202 ; v2(75.311,76.581) 75.311,76.01 C20.1@75.501,75.819 C16.1@75.501,74.549 ; C16.1@75.565,74.202 75.501,74.202 74.168,74.202
  Bottom Layer w0.15: v1(25.4,66.802) R20.1@25.4,67.882 ; v2(31.242,38.735) 31.242,39.688 C5.1@31.178,39.751 31.369,39.942 31.369,41.555 31.697,41.883 31.898,42.084 U2.7@31.898,44.25 ; C4.1@39.306,69.596 39.766,69.596 40.513,68.849 v2(40.513,68.58) ; v2(45.085,67.945) 45.909,67.945 C3.1@46.036,68.072 ; v2(45.974,72.771) 45.974,72.074 C2.1@46.164,71.882 ; v2(75.311,76.581) 76.374,75.518 C21.1@76.374,75.184 ; U7.5@77.023,84.241 77.301,84.519 C27.2@78.359,84.519 v1(78.359,85.344)
5VD: H2.25 H2.26 P600.3 P600.4 | length 125.8
  Top Layer w0.5: P600.4@22.81,90.05 P600.3@22.81,87.51 7.112,71.812 7.112,17.907 9.144,15.875 41.148,15.875 43.434,13.589 43.434,8.916 H2.25@44.72,7.63 H2.26@44.72,5.09
DBG_PB0: P1.2 U5.9 | length 102.9
  Top Layer w0.15: P1.2@15.24,44.323 11.938,41.021 11.938,37.163 25.464,23.637 55.705,23.637 60.833,28.765 v2(60.833,39.243) ; v2(62.865,61.595) 62.865,61.722 63.3,62.157 U5.9@63.3,63.602
  Bottom Layer w0.15: v2(60.833,39.243) 60.833,41.783 63.373,44.323 63.373,56.261 61.087,58.547 61.087,59.817 v2(62.865,61.595)
DBG_PB1: P1.4 U5.10 | length 106.8
  Top Layer w0.15: P1.4@15.24,46.863 11.613,43.236 11.613,37.028 25.329,23.312 55.872,23.312 61.341,28.781 v2(61.341,39.751) ; v2(62.865,60.833) 63.8,61.768 U5.10@63.8,63.602
  Bottom Layer w0.15: v2(61.341,39.751) 61.341,40.259 63.754,42.672 63.754,56.515 61.468,58.801 61.468,59.605 62.696,60.833 v2(62.865,60.833)
DBG_PB2: P1.6 U5.11 | length 110
  Top Layer w0.15: P1.6@15.24,49.403 11.288,45.451 11.288,36.893 25.194,22.987 56.007,22.987 62.103,29.083 v2(62.103,40.132) ; v2(62.865,59.944) 64.3,61.379 U5.11@64.3,63.602
  Bottom Layer w0.15: v2(62.103,40.132) 62.103,40.386 64.135,42.418 64.135,56.769 62.484,58.42 62.484,59.104 62.865,59.485 v2(62.865,59.944)
DBG_PC0: P1.1 U5.18 | length 99
  Top Layer w0.15: P1.1@17.78,44.323 18.082,44.625 18.082,44.323 18.082,44.021 20.78,41.323 20.78,28.781 25.598,23.962 55.57,23.962 59.944,28.336 v2(59.944,33.528) ; U5.18@67.8,63.602 67.818,63.584 v2(67.818,62.23)
  Bottom Layer w0.15: v2(59.944,33.528) 64.841,38.425 64.841,57.729 66.421,59.309 66.421,60.996 67.655,62.23 v2(67.818,62.23)
DBG_PC1: P1.3 U5.19 | length 101.3
  Top Layer w0.15: P1.3@17.78,46.863 21.105,43.538 21.105,28.915 25.733,24.287 55.435,24.287 59.182,28.034 v2(59.182,33.02) ; U5.19@68.3,63.602 68.326,63.576 v2(68.326,61.468)
  Bottom Layer w0.15: v2(59.182,33.02) 60.325,33.02 65.166,37.861 65.166,57.547 67.183,59.564 67.183,60.96 67.691,61.468 v2(68.326,61.468)
DBG_PC2: P1.5 R17.1 U5.20 | length 104.9
  Top Layer w0.15: P1.5@17.78,49.403 21.43,45.753 21.43,29.05 25.867,24.612 55.301,24.612 58.547,27.858 v2(58.547,32.385) ; U5.20@68.8,63.602 68.834,63.568 v1(68.834,60.706)
  Bottom Layer w0.15: R17.1@58.547,30.798 v2(58.547,32.385) 60.452,32.385 65.491,37.424 65.491,57.412 68.809,60.731 v1@68.834,60.755
DBG_PC8: P1.7 R18.1 U5.68 | length 80.6
  Top Layer w0.15: P1.7@17.78,51.943 16.455,53.268 16.455,75.51 25.003,84.058 60.135,84.058 62.8,81.393 U5.68@62.8,78.802
  Bottom Layer w0.15: P1.7@17.78,51.943 R18.1@20.637,51.943
DBG_PC11: P1.9 U5.71 | length 67.4
  Top Layer w0.15: v2(20.447,62.738) 20.447,62.972 20.19,63.229 20.19,74.748 27,81.557 60.048,81.557 61.3,80.305 U5.71@61.3,78.802
  Bottom Layer w0.15: P1.9@17.78,54.483 20.447,57.15 v2(20.447,62.738)
DBG_PC12: P1.11 U5.72 | length 64.6
  Top Layer w0.15: v2(21.011,63.302) 20.54,63.773 20.54,74.603 27.17,81.232 59.738,81.232 60.8,80.17 U5.72@60.8,78.802
  Bottom Layer w0.15: P1.11@17.78,57.023 19.629,58.872 19.629,63.033 19.93,63.333 20.979,63.333 v2(21.011,63.302)
DBG_PC13: P1.13 U5.73 | length 62
  Top Layer w0.15: v2(21.717,63.5) 21.707,63.5 20.89,64.317 20.89,74.458 27.34,80.907 59.428,80.907 60.3,80.035 U5.73@60.3,78.802
  Bottom Layer w0.15: P1.13@17.78,59.563 19.304,61.087 19.304,63.167 19.943,63.806 21.401,63.806 21.707,63.5 v2(21.717,63.5)